# Allegro board MinnowMax_RevA1.brd
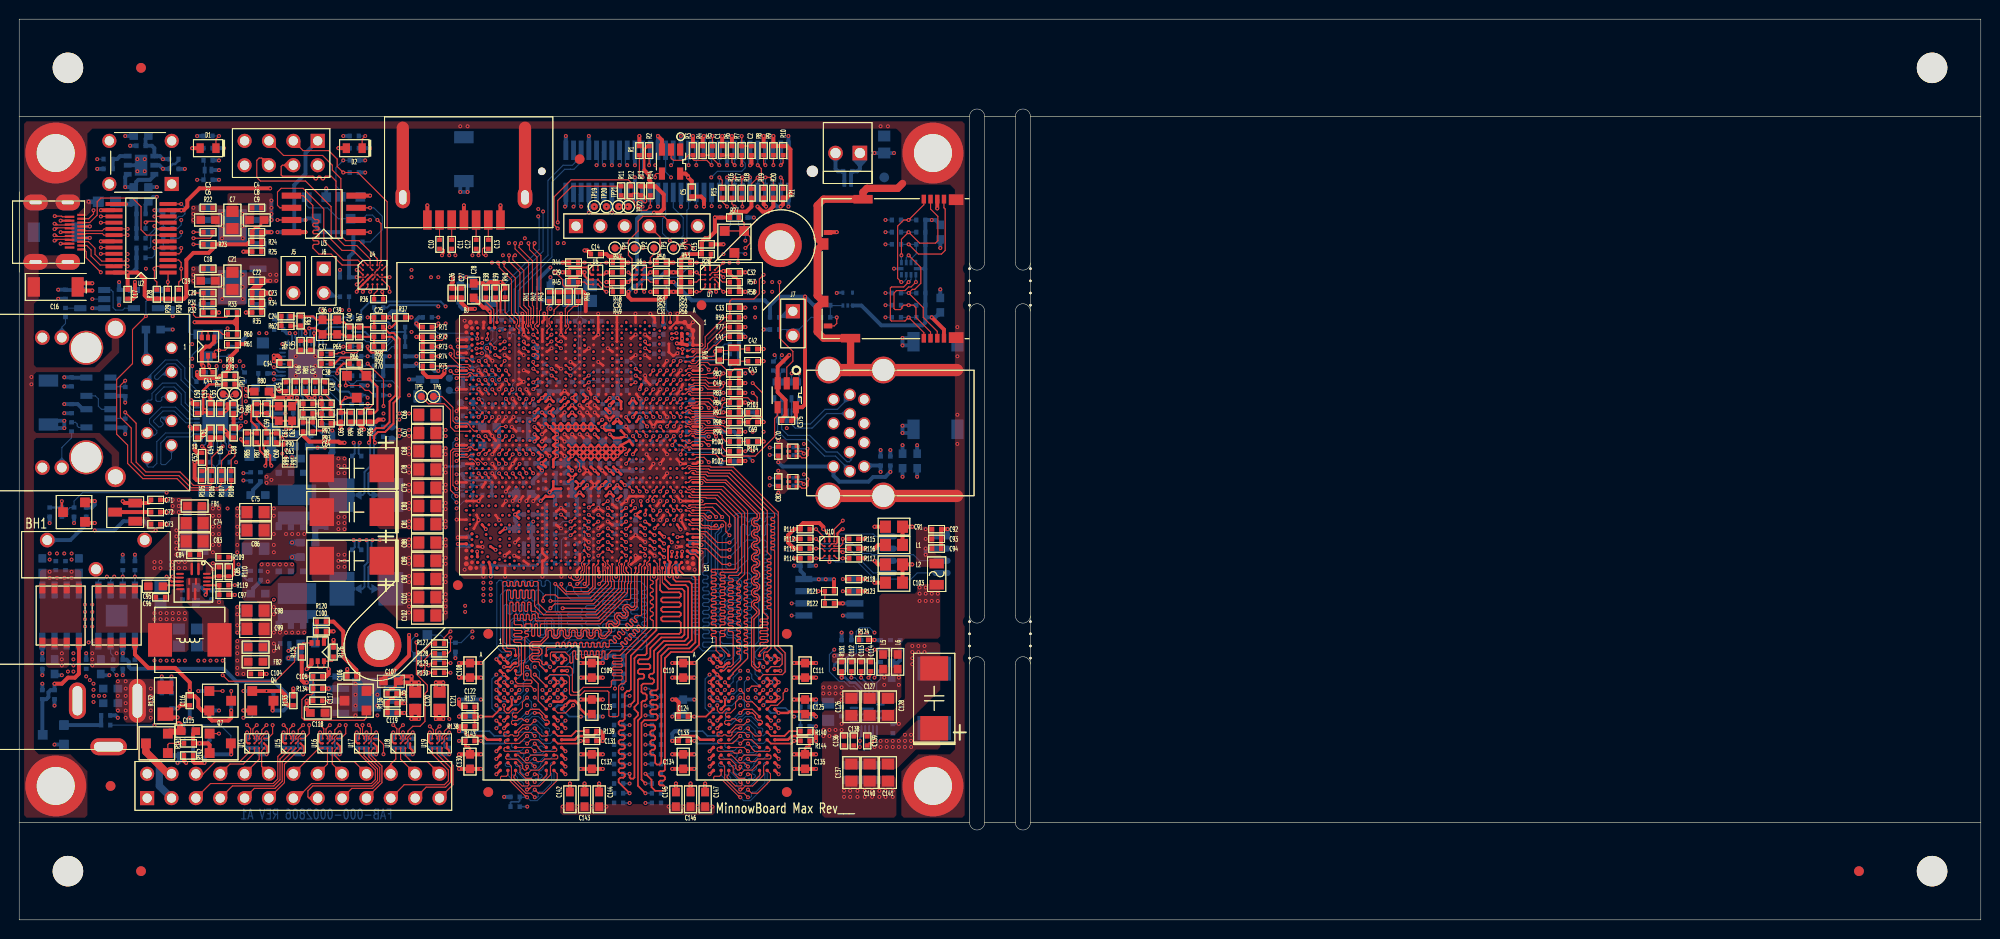
[diagram p0: board, top side]
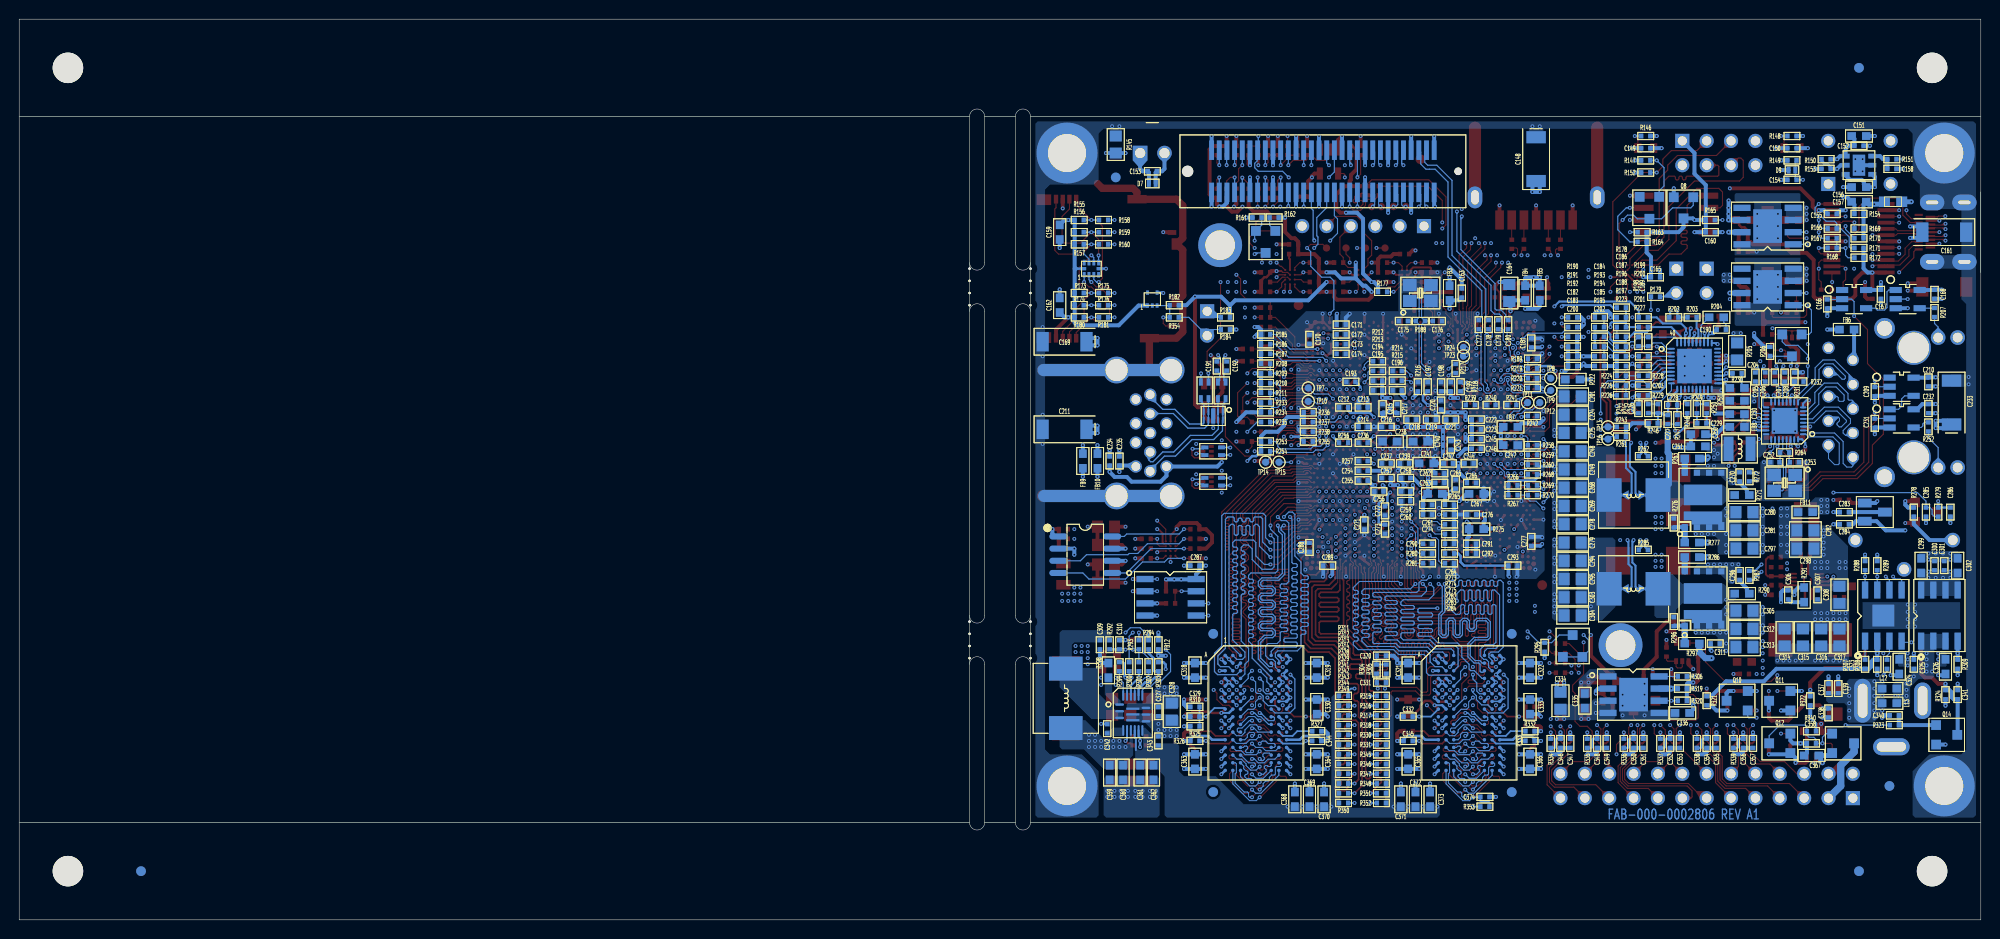
[diagram p1: board, bottom side, seen from below]

Outline 204.47 x 93.98 mm; copper layers: TOP, GND2, INT3(V), INT4(H), PWR5, GND6, INT7(H), INT8(V), GND9, BOTTOM. Coordinates in mm from the lower left corner of the outline.
Outline path: 0,83.82 0,93.98 204.47,93.98 204.47,83.82 ; 0,83.82 99.06,83.82 ; 0,83.82 0,10.16 ; 99.06,83.82 99.06,10.16 ; 99.06,83.82 arc(99.85,84.61) 100.63,83.82 ; 0,10.16 0,0 204.47,0 204.47,10.16 ; 0,10.16 99.06,10.16 ; 99.06,10.16 arc(99.85,9.37) 100.63,10.16 ; 100.63,83.82 100.63,68.58 ; 100.63,83.82 103.84,83.82 ; 100.63,31.75 100.63,63.5 ; 100.63,10.16 100.63,26.67 ; 100.63,10.16 103.84,10.16 ; 103.84,83.82 arc(104.62,84.61) 105.41,83.82 ; 103.84,83.82 103.84,68.58 ; 105.41,83.82 105.41,10.16 ; 105.41,83.82 204.47,83.82 ; 103.84,31.75 103.84,63.5 ; 103.84,10.16 103.84,26.67 ; 103.84,10.16 arc(104.62,9.37) 105.41,10.16 ; 105.41,10.16 204.47,10.16 ; 204.47,10.16 204.47,83.82

## Design rules (mm)
net group 1P0V_EN: nets 1P0V_EN VCORE_GFX_PG
net group +5VSB_SW: nets +5VSB_SW +CG_VIN
net group +PS_3VSB_PG: nets +PS_3VSB_PG PS3_VCC
net group +V1P0A: nets +V1P0A +V1P0A_FB
net group +V1P0A_PWRGD: nets +V1P0A_PWRGD +V1P8A_EN
net group +V1P35S: nets 1P35V_PWG +V1P35S
net group +VBAT: nets +VBAT +VBAT_R
net group ACTIVE-LED: nets ACTIVE-LED LAN_ACTIVE-
net group BRTCX: nets BRTCX1 BRTCX2
net group C_HDMI: nets C_HDMI_CEC C_HDMI_HPD
net group DC_GATE_ENB: nets DC_GATE_ENB N22512410
net group DC_IN_1: nets DC_IN_1 RC_ENB
net group DDI_RCOMP: nets DDI_RCOMP_N DDI_RCOMP_P
net group DIFF-CLK: nets PCIE_CLK-N2 PCIE_CLK-P2
net group ELL: nets ELL LED_LEFT
net group ELR: nets ELR LED_RIGHT
net group GFX_PG: nets GFX_PG GFX_PG_R
net group HDMI_DCDC_ENB: nets HDMI_DCDC_ENB HPD_ENB
net group HSIN: nets HSIN PCIE_TXN2
net group HSIP: nets HSIP PCIE_TXP2
net group HSON: nets HSON PCIE_RXN2
net group HSOP: nets HSOP PCIE_RXP2
net group I2C5_SCL: nets I2C5_SCL SI0_I2C5_SCL
net group I2C5_SDA: nets I2C5_SDA SI0_I2C5_SDA
net group I2S_CLK_R: nets I2S_CLK_R LPE_I2S_CLK
net group I2S_DATIN_R: nets I2S_DATIN_R LPE_I2S_DATIN
net group I2S_FRM_R: nets I2S_FRM_R LPE_I2S_FRM
net group ISUMN: nets ISUMN ISUMN_RC
net group ISUMNG: nets ISUMNG VSUMNG
net group ISUMP_R: nets ISUMP_R VSUMP
net group LAN_CLKREQ2_B: nets LAN_CLKREQ2_B LAN_CREQ
net group LAN_XTAL1: nets LAN_XTAL1 LAN_XTAL2
net group LGATE1: nets LGATE1 LGATE1_R
net group LGATEG: nets LGATEG LGATEG_R
net group LINK-GIGALED: nets LED2-LINK LINK-GIGALED
net group LINK-LED: nets LED1-LINK LINK-LED
net group M_A_DRAMRST_L: nets M_A_DRAMRST_L M_A_RST_L
net group MSATA: nets MSATA_RX_N MSATA_RX_P
net group NTC: nets NTC NTC_R
net group NTCG: nets NTCG NTCG_R
net group PCIE: nets PCIE_RCOMP_N PCIE_RCOMP_P
net group PCU_UART3: nets PCU_UART3_RXD PCU_UART3_TXD
net group PMC_PLTRST_R_V1P8: nets HOOK6 PMC_PLTRST_R_V1P8
net group PMC_RSMRST: nets HOOK0 PMC_RSMRST
net group PS3_EN: nets PS3_EN PS5VSB_VIN
net group PWM: nets PWM0 PWM1
net group SATA: nets SATA_RCOMP_N SATA_RCOMP_P
net group SATA0_RXN: nets SATA0_RXN SATA0_RXN_C
net group SATA0_RXP: nets SATA0_RXP SATA0_RXP_C
net group SATA0_TXN: nets SATA0_TXN SATA0_TXN_C
net group SATA0_TXP: nets SATA0_TXP SATA0_TXP_C
net group SATA1_TXN: nets MSATA_TX_N SATA1_TXN
net group SATA1_TXP: nets MSATA_TX_P SATA1_TXP
net group SATA_LED_B: nets SATA_LED_B SATA_LED_R
net group SCLK: nets SCLK SVID_CLK-R
net group SD3_CD#: nets SD3_CD# SD3_WP
net group SD3_CLK: nets SD3_CLK SD3_CLK_R
net group SD3_CMD: nets SD3_CMD SD3_CMD_R
net group SD3_D0: nets SD3_D0 SD3_D0_R
net group SD3_D1: nets SD3_D1 SD3_D1_R
net group SD3_D2: nets SD3_D2 SD3_D2_R
net group SD3_D3: nets SD3_D3 SD3_D3_R
net group SI0_I2C6_SCL: nets I2C6_SCL SI0_I2C6_SCL
net group SI0_I2C6_SDA: nets I2C6_SDA SI0_I2C6_SDA
net group SIO_I2C: nets SIO_I2C1_SCL SIO_I2C1_SDA
net group SIO_UART2: nets SIO_UART2_RXD SIO_UART2_TXD
net group SOC_SPI_CLK: nets SOC_SPI_CLK SOC_SPI_CLK-R
net group SOC_SPI_CS0B: nets SOC_SPI_CS0B SOC_SPI_CS0B-R
net group SOC_SPI_MISO: nets SOC_SPI_MISO SOC_SPI_MISO-R
net group SOC_SPI_MOSI: nets SOC_SPI_MOSI SOC_SPI_MOSI-R
net group UART2: nets UART2_RXD UART2_TXD
net group USB3_RX0: nets USB3_RXN0 USB3_RXP0
net group USB3_TX0: nets USB3_TXN0 USB3_TXP0
net group USB_HOST: nets USB_HOST_DN USB_HOST_DP
net group VCORE_PG: nets VCORE_PG VCORE_PG_R
net group VCORE_RTN: nets VCORE_RTN VSS_SENSE
net group VSUM_G: nets VSUMNG_R VSUMPG_R
net group VSUM_R: nets VSUMN_R VSUMP_R
net group XTAL25_IN: nets XTAL25_IN XTAL25_OUT
net group +3VSB_EN_L: nets 5VSB_CTRL 5VSB_GATE +3VSB_EN_L +PS_5VSB FP_PWRBTN HOOK1 PB_RES S5_SEL
net group +HDMI_CRT_VCC: nets +HDMI_CRT_VCC C_HDMI_SCL C_HDMI_SDA
net group +RTCVCC: nets +RTCVCC ILB_RTC_TESTB RTCRST_L
net group +USBVCC: nets +USBVCC USB_HOST_OC0 USB_HOST_OC1
net group +VCC: nets 1P8V_EN 1P35V_EN +V1P8S_EN +VCC V1P0S_PG VCNTL_V1P0S VR_ON
net group ALERT_L: nets ALERT_L SVID_ALERT SVID_ALERT-R
net group AUGND2: nets AUGND2 VBUS1 VBUS2
net group BOOT1: nets BOOT1 BOOT_R PHASE1 RC UGATE1 UGATE1_R
net group BOOTG: nets BOOTG BOOTG_R PHASEG RCG UGATEG UGATEG_R
net group COMP_RC: nets COMP_RC COMP_RC1 COMP_RC2 COMP_VW VCC_SENSE VCC_SENSE_R VCORE_COMP VCORE_FB
net group COMPG: nets COMPG COMPG_RC COMPG_RC1 COMPG_RC2 FBG VCCGT_SENSE VCCGT_SENSE_R VWG
net group CORE_SDA: nets CORE_SDA SVID_DATA SVID_DATA-R
net group DDP_1V8: nets DDP_1V8 DDP_SPI_CS SPI_CS0 SPI_HOLD SPI_WP
net group DDP_SPI: nets DDP_SPI_CLK DDP_SPI_MISO DDP_SPI_MOSI
net group GPIO_S5_10_UNLOCK: nets GPIO_S5_10_UNLOCK I2S_DATOUT_R LPE_I2S_DATOUT
net group H_HDMI: nets HDA_RCOMP HDMI_CEC HDMI_CLK_DN HDMI_CLK_DP HDMI_DDCCLK HDMI_DDCDAT HDMI_TX0_DN HDMI_TX0_DP HDMI_TX1_DN HDMI_TX1_DP HDMI_TX2_DN HDMI_TX2_DP
net group HDMI_HPD: nets HDMI_HPD HDMI_LDSW_ENB LS_OE
net group I2S: nets I2SCLK_GPIO I2SDI_GPIO I2SDO_GPIO I2SFRM_GPIO
net group M_DATA1: nets M_DATA_A0 M_DATA_A1 M_DATA_A2 M_DATA_A3 M_DATA_A4 M_DATA_A5 M_DATA_A6 M_DATA_A7 M_DM_A0 M_DQS_A_N0 M_DQS_A_P0
net group M_DATA2: nets M_DATA_A8 M_DATA_A9 M_DATA_A10 M_DATA_A11 M_DATA_A12 M_DATA_A13 M_DATA_A14 M_DATA_A15 M_DM_A1 M_DQS_A_N1 M_DQS_A_P1
net group M_DATA3: nets M_DATA_A16 M_DATA_A17 M_DATA_A18 M_DATA_A19 M_DATA_A20 M_DATA_A21 M_DATA_A22 M_DATA_A23 M_DM_A2 M_DQS_A_N2 M_DQS_A_P2
net group M_DATA4: nets M_DATA_A24 M_DATA_A25 M_DATA_A26 M_DATA_A27 M_DATA_A28 M_DATA_A29 M_DATA_A30 M_DATA_A31 M_DM_A3 M_DQS_A_N3 M_DQS_A_P3
net group M_DATA5: nets M_DATA_A32 M_DATA_A33 M_DATA_A34 M_DATA_A35 M_DATA_A36 M_DATA_A37 M_DATA_A38 M_DATA_A39 M_DM_A4 M_DQS_A_N4 M_DQS_A_P4
net group M_DATA6: nets M_DATA_A40 M_DATA_A41 M_DATA_A42 M_DATA_A43 M_DATA_A44 M_DATA_A45 M_DATA_A46 M_DATA_A47 M_DM_A5 M_DQS_A_N5 M_DQS_A_P5
net group M_DATA7: nets M_DATA_A48 M_DATA_A49 M_DATA_A50 M_DATA_A51 M_DATA_A52 M_DATA_A53 M_DATA_A54 M_DATA_A55 M_DM_A6 M_DQS_A_N6 M_DQS_A_P6
net group M_DATA8: nets M_DATA_A56 M_DATA_A57 M_DATA_A58 M_DATA_A59 M_DATA_A60 M_DATA_A61 M_DATA_A62 M_DATA_A63 M_DM_A7 M_DQS_A_N7 M_DQS_A_P7
net group MDI: nets MDI_N0 MDI_N1 MDI_N2 MDI_N3 MDI_P0 MDI_P1 MDI_P2 MDI_P3
net group MPCIE: nets MPCIE_CLKREQ3_B MPCIE_REFCLK_N MPCIE_REFCLK_P MPCIE_RX_N MPCIE_RX_P MPCIE_TX_N MPCIE_TX_P MPCIE_WAKEB
net group N22704235: nets N22704235 N22704249 N22704253
net group PCU_SMB: nets PCU_SMB_ALERT PCU_SMB_BUFF_ENB PCU_SMB_CLK PCU_SMB_DATA
net group PMC_CORE_PWROK: nets HOOK2 PMC_CORE_PWROK SYS_PWRGD
net group PS3VSB_PHASE: nets N22704231 PS3_BST PS3VSB_PHASE
net group SATA1: nets SATA1_RXP
net group SATA1_RXN: nets SATA1_RXN
net group SIO_SPI: nets SIO_SPI_CLK SIO_SPI_CS1 SIO_SPI_MISO SIO_SPI_MOSI
net group SIO_UART1: nets SIO_UART1_CTSB SIO_UART1_RTSB SIO_UART1_RXD SIO_UART1_TXD
net group SLP_S3_L: nets DDR_BST DDR_PHASE DDR_RCMP DDRAGND_SIGNAL DIMM_FB DRAM_PWROK DRAM_S4_PWROK DRAM_VCC EN_VDDQ EN_VTT N22694973 N22695050 SLP_S3_L SLP_S4_L
net group SOC_SIO_SPI: nets SOC_SIO_SPI_CLK SOC_SIO_SPI_CS1 SOC_SIO_SPI_MISO SOC_SIO_SPI_MOSI
net group SOC_SPI: nets SOC_SPI_CS1B
net group SOC_USB: nets SOC_USB_HOST_EN0 SOC_USB_HOST_EN1 SOC_USB_HOST_OC0 SOC_USB_HOST_OC1
net group SPI: nets SPI_CLK SPI_MISO SPI_MOSI
net group SYS_EN_GATE: nets 5VSB_LSENB +3VSB_EN +10V SYS_EN SYS_EN_GATE
net group UART1: nets UART1_CTSB UART1_RTSB UART1_RXD UART1_TXD
net group USB: nets USB_DN0 USB_DN1 USB_DP0 USB_DP1 USB_HOST_BUFF_ENB USB_HOST_EN0 USB_HOST_EN1 USB_HSIC0_RCOMP USB_RCOMP
net group USB3: nets USB3_REXT0 USB3_RX0N_C USB3_RX0P_C USB3_TX0N_C USB3_TX0P_C
net group USB3_TX0-R: nets USB3_TX0P-R
net group USB3_TX0N-R: nets USB3_TX0N-R
net group VSUM_G1: nets ISUMPG_R
net group XDP_H: nets XDP_H_OBSDATA_A0 XDP_H_OBSDATA_A1 XDP_H_OBSDATA_A2 XDP_H_OBSDATA_A3 XDP_H_PRDYB XDP_H_PREQB XDP_H_PREQB_PB XDP_H_TCK XDP_H_TDI XDP_H_TDO XDP_H_TMS XDP_H_TRSTB
nets with their own width: min track width 0.203; nets VCORE_RTNG VSUMN VSUMPG

## Placement (name value [footprint] x y rotation side)
BH1  BATT HOLDER, BS-1225-PC  [BATT3_190X610]  8 38.1 180 top
C1  0.1uF  [C0402]  73.28 80.26 90 top
C2  1.0uF  [C0402]  76.33 80.26 90 top
C3  0.1uF  [C0402]  19.68 74.3 180 top
C4  0.1uF  [C0402]  24.77 74.3 0 top
C5  0.1uF  [C0402]  70.1 75.95 90 top
C6  10uF  [C0603]  19.68 73.03 0 top
C7  22uF  [C0805]  22.23 73.03 90 top
C8  10uF  [C0603]  24.77 73.03 0 top
C9  150pF  [C0402]  24.77 71.75 180 top
C10  0.01uF  [C0402]  43.81 70.48 270 top
C11  0.01uF  [C0402]  45.09 70.48 270 top
C12  0.01uF  [C0402]  47.62 70.48 270 top
C13  0.01uF  [C0402]  48.9 70.48 270 top
C14  0.1uF  [C0402]  60.07 69.47 0 top
C15  0.1uF  [C0402]  71.63 70.48 180 top
C16  150pF  [C1808]  3.81 66.04 180 top
C17  0.1uF  [C0402]  11.3 65.28 90 top
C18  0.1uF  [C0402]  19.68 67.94 180 top
C19  10uF  [C0603]  19.68 66.67 0 top
C20  0.1uF  [C0402]  19.68 65.41 180 top
C21  22uF  [C0805]  22.23 66.67 90 top
C22  0.1uF  [C0402]  24.77 66.67 0 top
C23  150pF  [C0402]  24.77 65.41 180 top
C24  2200pF  [C0402]  27.81 62.99 0 top
C25  0.1uF  [C0402]  37.47 62.86 180 top
C26  1.0uF  [C0402]  45.09 65.41 270 top
C27  1.0uF  [C0402]  46.1 65.41 270 top
C28  10uF  [C0603]  47.37 65.66 270 top
C29  0.1uF  [C0402]  57.78 67.56 0 top
C30  0.1uF  [C0402]  62.36 66.55 0 top
C31  0.1uF  [C0402]  66.93 65.53 0 top
C32  0.1uF  [C0402]  74.55 67.56 0 top
C33  1.0uF  [C0402]  74.55 63.88 0 top
C34  1.0uF  [C0402]  27.69 58.04 180 top
C35  0.01uF  [C0402]  30.35 59.94 90 top
C36  0.033uF  [C0603]  31.62 61.85 270 top
C37  1.0uF  [C0402]  32 59.06 0 top
C38  0.1uF  [C0402]  32 58.04 0 top
C39  0.033uF  [C0603]  33.15 61.85 270 top
C40  0.022uF  [C0402]  34.42 61.34 270 top
C41  0.1uF  [C0402]  74.55 60.83 0 top
C42  18pF  [C0402]  76.45 59.56 180 top
C43  18pF  [C0402]  76.45 58.29 180 top
C44  1.0uF  [C0402]  19.68 57.15 0 top
C45  0.22uF  [C0402]  27.81 55.63 90 top
C46  1.0uF  [C0402]  28.83 55.63 270 top
C47  0.01uF  [C0402]  30.86 55.63 270 top
C48  1000pF  [C0402]  31.88 55.63 270 top
C49  10pF  [C0402]  74.55 56.01 0 top
C50  0.1uF  [C0402]  18.54 53.34 270 top
C51  0.1uF  [C0402]  18.54 50.8 270 top
C52  0.1uF  [C0402]  19.05 48.26 270 top
C53  0.1uF  [C0402]  19.94 53.34 270 top
C54  0.1uF  [C0402]  19.94 50.8 90 top
C55  0.1uF  [C0402]  20.95 53.34 270 top
C56  0.1uF  [C0402]  20.95 50.8 90 top
C57  1.0uF  [C0402]  22.35 53.34 90 top
C58  0.1uF  [C0402]  22.35 50.8 270 top
C59  0.022uF  [C0402]  25.78 53.34 90 top
C60  0.1uF  [C0402]  26.8 50.29 90 top
C61  0.033uF  [C0603]  27.05 52.83 90 top
C62  0.033uF  [C0603]  28.45 52.83 90 top
C63  220pF  [C0402]  30.1 52.83 0 top
C64  330pF  [C0402]  32 51.82 0 top
C65  0.1uF  [C0402]  33.53 52.45 90 top
C66  22uF  [C0805]  42.55 52.7 180 top
C67  22uF  [C0805]  42.55 50.8 180 top
C68  22uF  [C0805]  42.55 48.89 180 top
C69  10pF  [C0402]  76.45 51.94 180 top
C70  0.1uF  [C0402]  79.12 48.89 270 top
C71  0.1uF  [C0402]  14.22 43.81 0 top
C72  0.1uF  [C0402]  14.22 42.55 180 top
C73  0.1uF  [C0402]  14.22 41.27 0 top
C74  22uF  [C0805]  18.29 41.4 0 top
C75  22uF  [C0805]  24.64 42.55 0 top
C76  330uF  [C7343]  34.67 47.12 180 top
C77  330uF  [C7343]  34.67 42.55 180 top
C78  22uF  [C0805]  42.55 46.99 180 top
C79  22uF  [C0805]  42.55 45.08 180 top
C80  22uF  [C0805]  42.55 43.18 180 top
C81  22uF  [C0805]  42.55 41.27 180 top
C82  0.1uF  [C0402]  79.12 45.72 270 top
C83  22uF  [C0805]  18.29 39.5 0 top
C84  0.1uF  [C0402]  18.29 38.1 0 top
C85  0.1uF  [C0402]  20.83 36.32 90 top
C86  22uF  [C0805]  24.64 40.64 0 top
C87  330uF  [C7343]  34.67 37.47 180 top
C88  22uF  [C0805]  42.55 39.37 180 top
C89  22uF  [C0805]  42.55 37.47 180 top
C90  22uF  [C0805]  42.55 35.56 180 top
C91  22uF  [C0805]  91.19 41.02 0 top
C92  0.1uF  [C0402]  95.63 40.77 180 top
C93  0.1uF  [C0402]  95.63 39.75 180 top
C94  0.1uF  [C0402]  95.63 38.73 180 top
C95  10uF  [C0603]  14.22 34.8 0 top
C96  0.1uF  [C0402]  14.73 33.66 180 top
C97  1.0uF  [C0402]  21.34 33.91 0 top
C98  22uF  [C0805]  24.64 32.26 0 top
C99  22uF  [C0805]  24.64 30.35 0 top
C100  0.1uF  [C0402]  31.5 30.1 180 top
C101  22uF  [C0805]  42.55 33.66 180 top
C102  22uF  [C0805]  42.55 31.75 180 top
C103  22uF  [C0805]  91.19 35.18 0 top
C104  0.1uF  [C0402]  24.64 25.65 180 top
C105  0.1uF  [C0402]  31.11 25.4 180 top
C106  22pF  [C0402]  34.67 25.4 0 top
C107  10uF  [C0603]  38.73 24.89 180 top
C108  0.47uF  [C0603]  46.99 26.04 90 top
C109  0.47uF  [C0603]  59.69 26.04 90 top
C110  0.47uF  [C0603]  69.22 26.04 90 top
C111  0.47uF  [C0603]  81.92 26.04 90 top
C112  0.1uF  [C0402]  86.74 26.42 270 top
C113  1.0uF  [C0402]  87.76 26.42 270 top
C114  0.1uF  [C0402]  88.77 26.42 270 top
C115  10uF  [C0603]  17.65 19.69 180 top
C116  1.0uF  [C0402]  17.78 22.86 90 top
C117  1.0uF  [C0402]  31.11 22.86 180 top
C118  10uF  [C0603]  31.11 21.59 180 top
C119  27pF  [C0402]  38.86 21.59 0 top
C120  22uF  [C0805]  41.27 22.86 90 top
C121  22uF  [C0805]  43.81 22.86 90 top
C122  0.1uF  [C0402]  46.99 22.23 180 top
C123  0.47uF  [C0603]  59.69 22.23 90 top
C124  0.1uF  [C0402]  69.22 21.21 180 top
C125  0.47uF  [C0603]  81.92 22.23 90 top
C126  22uF  [C0805]  86.74 22.23 90 top
C127  22uF  [C0805]  88.65 22.23 90 top
C128  22uF  [C0805]  90.55 22.23 90 top
C129  330uF  [C7343]  95.38 23.11 90 top
C130  0.47uF  [C0603]  46.99 16.51 270 top
C131  0.1uF  [C0402]  59.69 18.67 0 top
C132  0.47uF  [C0603]  59.69 16.51 270 top
C133  0.1uF  [C0402]  69.22 18.67 180 top
C134  0.47uF  [C0603]  69.22 16.51 270 top
C135  0.47uF  [C0603]  81.92 16.51 270 top
C136  0.1uF  [C0402]  85.98 18.67 270 top
C137  22uF  [C0805]  86.74 15.37 90 top
C138  0.1uF  [C0402]  87 18.67 270 top
C139  0.1uF  [C0402]  88.39 18.67 270 top
C140  22uF  [C0805]  88.65 15.37 90 top
C141  22uF  [C0805]  90.55 15.37 90 top
C142  0.47uF  [C0603]  57.4 12.57 90 top
C143  0.47uF  [C0603]  58.93 12.57 90 top
C144  0.47uF  [C0603]  60.45 12.57 90 top
C145  0.47uF  [C0603]  68.45 12.57 90 top
C146  0.47uF  [C0603]  69.98 12.57 90 top
C147  0.47uF  [C0603]  71.5 12.57 90 top
C148  8200pF  [C1808]  46.35 79.38 270 bottom
C149  2.2uF  [C0402]  34.92 80.52 0 bottom
C150  2.2uF  [C0402]  19.68 80.52 0 bottom
C151  10uF  [C0603]  12.7 81.79 0 bottom
C152  22pF  [C0402]  12.7 80.77 0 bottom
C153  0.1uF  [C0402]  86.36 78.1 180 bottom
C154  0.1uF  [C0402]  19.68 77.22 180 bottom
C155  0.1uF  [C0402]  15.49 73.66 0 bottom
C156  10uF  [C0603]  12.7 76.45 180 bottom
C157  4.7uF  [C0603]  12.7 74.93 0 bottom
C158  0.1uF  [C0402]  9.27 78.36 0 bottom
C159  10uF  [C0603]  96.01 71.75 90 bottom
C160  1.0uF  [C0402]  28.19 71.75 0 bottom
C161  8200pF  [C1808]  3.81 71.75 180 bottom
C162  10uF  [C0603]  96.01 64.14 270 bottom
C163  1.0uF  [C0402]  54.1 65.41 90 bottom
C164  22uF  [C0805]  49.15 65.41 270 bottom
C165  0.1uF  [C0402]  33.91 67.06 0 bottom
C166  0.1uF  [C0402]  16 64.26 90 bottom
C167  0.1uF  [C0402]  10.41 65.28 90 bottom
C168  0.1uF  [C0402]  4.83 65.28 90 bottom
C169  8200pF  [C1808]  95.5 60.33 0 bottom
C170  1.0uF  [C0402]  69.98 60.58 90 bottom
C171  1.0uF  [C0402]  66.67 62.1 180 bottom
C172  1.0uF  [C0402]  66.67 61.09 180 bottom
C173  0.01uF  [C0402]  66.67 60.07 180 bottom
C174  1.0uF  [C0402]  66.67 59.06 180 bottom
C175  27pF  [C0402]  60.2 62.48 180 bottom
C176  27pF  [C0402]  56.64 62.48 0 bottom
C177  0.01uF  [C0402]  52.32 62.1 270 bottom
C178  0.01uF  [C0402]  51.31 62.1 270 bottom
C179  0.01uF  [C0402]  50.29 62.1 270 bottom
C180  0.01uF  [C0402]  49.28 62.1 270 bottom
C181  1.0uF  [C0402]  46.86 60.2 90 bottom
C182  1.0uF  [C0402]  42.55 59.82 180 bottom
C183  1.0uF  [C0402]  42.55 58.8 180 bottom
C184  1000pF  [C0402]  39.75 62.86 180 bottom
C185  33pF  [C0402]  39.75 59.82 180 bottom
C186  330pF  [C0402]  37.47 62.86 0 bottom
C187  560PF  [C0402]  37.47 61.85 180 bottom
C188  470pF  [C0402]  37.47 59.82 180 bottom
C189  1000pF  [C0402]  34.67 60.33 270 bottom
C190  0.22uF  [C0402]  27.05 61.59 0 bottom
C191  0.1uF  [C0402]  79.63 57.78 270 bottom
C192  0.1uF  [C0402]  78.61 57.78 270 bottom
C193  1.0uF  [C0402]  65.66 56.13 0 bottom
C194  1.0uF  [C0402]  62.87 56.26 0 bottom
C195  1.0uF  [C0402]  62.87 55.25 180 bottom
C196  1.0uF  [C0402]  60.83 55.25 180 bottom
C197  1.0uF  [C0402]  57.66 55.63 90 bottom
C198  1.0uF  [C0402]  56.26 55.63 270 bottom
C199  1.0uF  [C0402]  55.24 55.63 90 bottom
C200  1.0uF  [C0402]  42.55 57.78 180 bottom
C201  22uF  [C0805]  42.55 54.61 180 bottom
C202  0.1uF  [C0402]  39.75 57.78 180 bottom
C203  0.1uF  [C0402]  35.18 55.75 180 bottom
C204  0.22uF  [C0402]  25.4 57.02 0 bottom
C205  0.1uF  [C0402]  23.5 56.64 90 bottom
C206  0.1uF  [C0402]  22.48 56.64 90 bottom
C207  0.1uF  [C0402]  21.46 56.64 90 bottom
C208  0.1uF  [C0402]  20.45 56.64 90 bottom
C209  0.1uF  [C0402]  11.05 55.12 90 bottom
C210  0.1uF  [C0402]  5.46 56.13 90 bottom
C211  8200pF  [C1808]  95.5 51.18 0 bottom
C212  0.1uF  [C0402]  66.42 53.47 180 bottom
C213  1.0uF  [C0402]  64.39 53.47 180 bottom
C214  1.0uF  [C0402]  64.39 51.44 0 bottom
C215  1.0uF  [C0402]  62.36 53.34 90 bottom
C216  1.0uF  [C0402]  61.98 51.44 0 bottom
C217  1.0uF  [C0402]  60.83 53.34 90 bottom
C218  1.0uF  [C0402]  59.31 52.2 180 bottom
C219  1.0uF  [C0402]  57.28 52.2 180 bottom
C220  1.0uF  [C0402]  56.26 53.72 90 bottom
C221  1.0uF  [C0402]  55.24 52.2 180 bottom
C222  1.0uF  [C0402]  52.58 52.2 180 bottom
C223  1.0uF  [C0402]  52.58 51.18 180 bottom
C224  22uF  [C0805]  42.55 52.7 180 bottom
C225  22uF  [C0805]  42.55 50.8 180 bottom
C226  1000pF  [C0402]  33.66 53.34 90 bottom
C227  560PF  [C0402]  32.64 52.2 90 bottom
C228  33pF  [C0402]  32.13 53.72 0 bottom
C229  2200pF  [C0402]  29.08 51.82 180 bottom
C230  10uF  [C0603]  25.4 52.77 0 bottom
C231  0.1uF  [C0402]  11.05 51.82 90 bottom
C232  0.1uF  [C0402]  5.46 53.34 90 bottom
C233  8200pF  [C1808]  3.05 53.97 90 bottom
C234  0.1uF  [C0402]  90.81 47.88 270 bottom
C235  0.1uF  [C0402]  89.79 47.88 270 bottom
C236  1.0uF  [C0402]  64.39 49.78 180 bottom
C237  0.1uF  [C0402]  61.98 47.62 180 bottom
C238  4.7uF  [C0603]  61.59 49.91 180 bottom
C239  1.0uF  [C0402]  60.07 47.62 180 bottom
C240  4.7uF  [C0603]  58.42 49.91 0 bottom
C241  10uF  [C0603]  57.78 47.62 0 bottom
C242  1.0uF  [C0402]  55.5 47.62 180 bottom
C243  1.0uF  [C0402]  55.24 49.53 270 bottom
C244  1.0uF  [C0402]  53.34 47.62 0 bottom
C245  1.0uF  [C0402]  52.58 50.17 180 bottom
C246  1.0uF  [C0402]  52.58 49.15 180 bottom
C247  10uF  [C0603]  49.02 49.53 0 bottom
C248  22uF  [C0805]  42.55 48.89 180 bottom
C249  22uF  [C0805]  42.55 46.99 180 bottom
C250  10uF  [C0603]  29.46 50.67 0 bottom
C251  10uF  [C0603]  29.46 49.4 0 bottom
C252  27pF  [C0402]  21.46 47.75 0 bottom
C253  27pF  [C0402]  19.43 47.75 180 bottom
C254  0.1uF  [C0402]  64.39 46.86 0 bottom
C255  1.0uF  [C0402]  64.39 45.85 0 bottom
C256  1.0uF  [C0402]  62.74 44.7 0 bottom
C257  1.0uF  [C0402]  61.98 46.1 0 bottom
C258  1.0uF  [C0402]  59.94 46.1 0 bottom
C259  1.0uF  [C0402]  59.94 44.7 0 bottom
C260  1.0uF  [C0402]  59.94 43.69 0 bottom
C261  1.0uF  [C0402]  57.66 43.31 0 bottom
C262  1.0uF  [C0402]  56.39 46.61 180 bottom
C263  1.0uF  [C0402]  56.39 45.59 180 bottom
C264  1.0uF  [C0402]  55.37 43.31 180 bottom
C265  1.0uF  [C0402]  54.74 45.47 90 bottom
C266  1.0uF  [C0402]  53.09 45.59 0 bottom
C267  10uF  [C0603]  52.58 44.45 180 bottom
C268  22uF  [C0805]  42.55 45.08 180 bottom
C269  22uF  [C0805]  42.55 43.18 180 bottom
C270  2200pF  [C0402]  25.15 46.23 270 bottom
C271  1.0uF  [C0402]  64.26 41.21 90 bottom
C272  1.0uF  [C0402]  62.1 42.67 90 bottom
C273  1.0uF  [C0402]  62.1 40.77 90 bottom
C274  1.0uF  [C0402]  57.66 42.29 180 bottom
C275  0.1uF  [C0402]  55.37 40.26 180 bottom
C276  1.0uF  [C0402]  53.09 42.29 180 bottom
C277  0.1uF  [C0402]  46.86 39.5 90 bottom
C278  22uF  [C0805]  42.55 41.27 180 bottom
C279  22uF  [C0805]  42.55 39.37 0 bottom
C280  22uF  [C0805]  24.64 42.55 0 bottom
C281  22uF  [C0805]  24.64 40.64 0 bottom
C282  22uF  [C0805]  18.29 40.64 0 bottom
C283  0.1uF  [C0402]  14.22 42.55 180 bottom
C284  0.1uF  [C0402]  14.22 41.27 0 bottom
C285  1.0uF  [C0402]  5.71 42.55 90 bottom
C286  1.0uF  [C0402]  3.17 42.55 90 bottom
C287  0.1uF  [C0402]  81.92 36.96 180 bottom
C288  0.1uF  [C0402]  69.98 38.86 270 bottom
C289  0.1uF  [C0402]  68.07 36.96 0 bottom
C290  0.1uF  [C0402]  57.66 39.24 0 bottom
C291  0.1uF  [C0402]  53.09 39.24 0 bottom
C292  1.0uF  [C0402]  53.09 38.23 0 bottom
C293  0.1uF  [C0402]  48.77 36.96 180 bottom
C294  22uF  [C0805]  42.55 37.47 0 bottom
C295  22uF  [C0805]  42.55 35.56 0 bottom
C296  2200pF  [C0402]  25.15 35.94 270 bottom